# Altium PCB MiniPC.PcbDoc (part 18 of 23)
Units mm, origin at the board's own origin, x right, y up, seen from the top; angles counter-clockwise.
Board outline 175 x 155 mm, 16 copper layers (1_Top, 2_int1_(gnd), 3_int2_(power), 4_int3_(gnd), 5_int4_(sign), 6_int5_(power), 7_int6_(sign), 8_int7_(power), 9_int8_(gnd), 10_int9_(sign), 11_int10_(gnd), 12_int11_(sign), 13_int12_(gnd), 14_int13_(power), 15_int14_(gnd), 16_Bottom), stack 2.008 mm thick; 1046 components, 841 nets, 6010 pads, 4016 vias.
Unrouted connection lines stored in the file: 602.
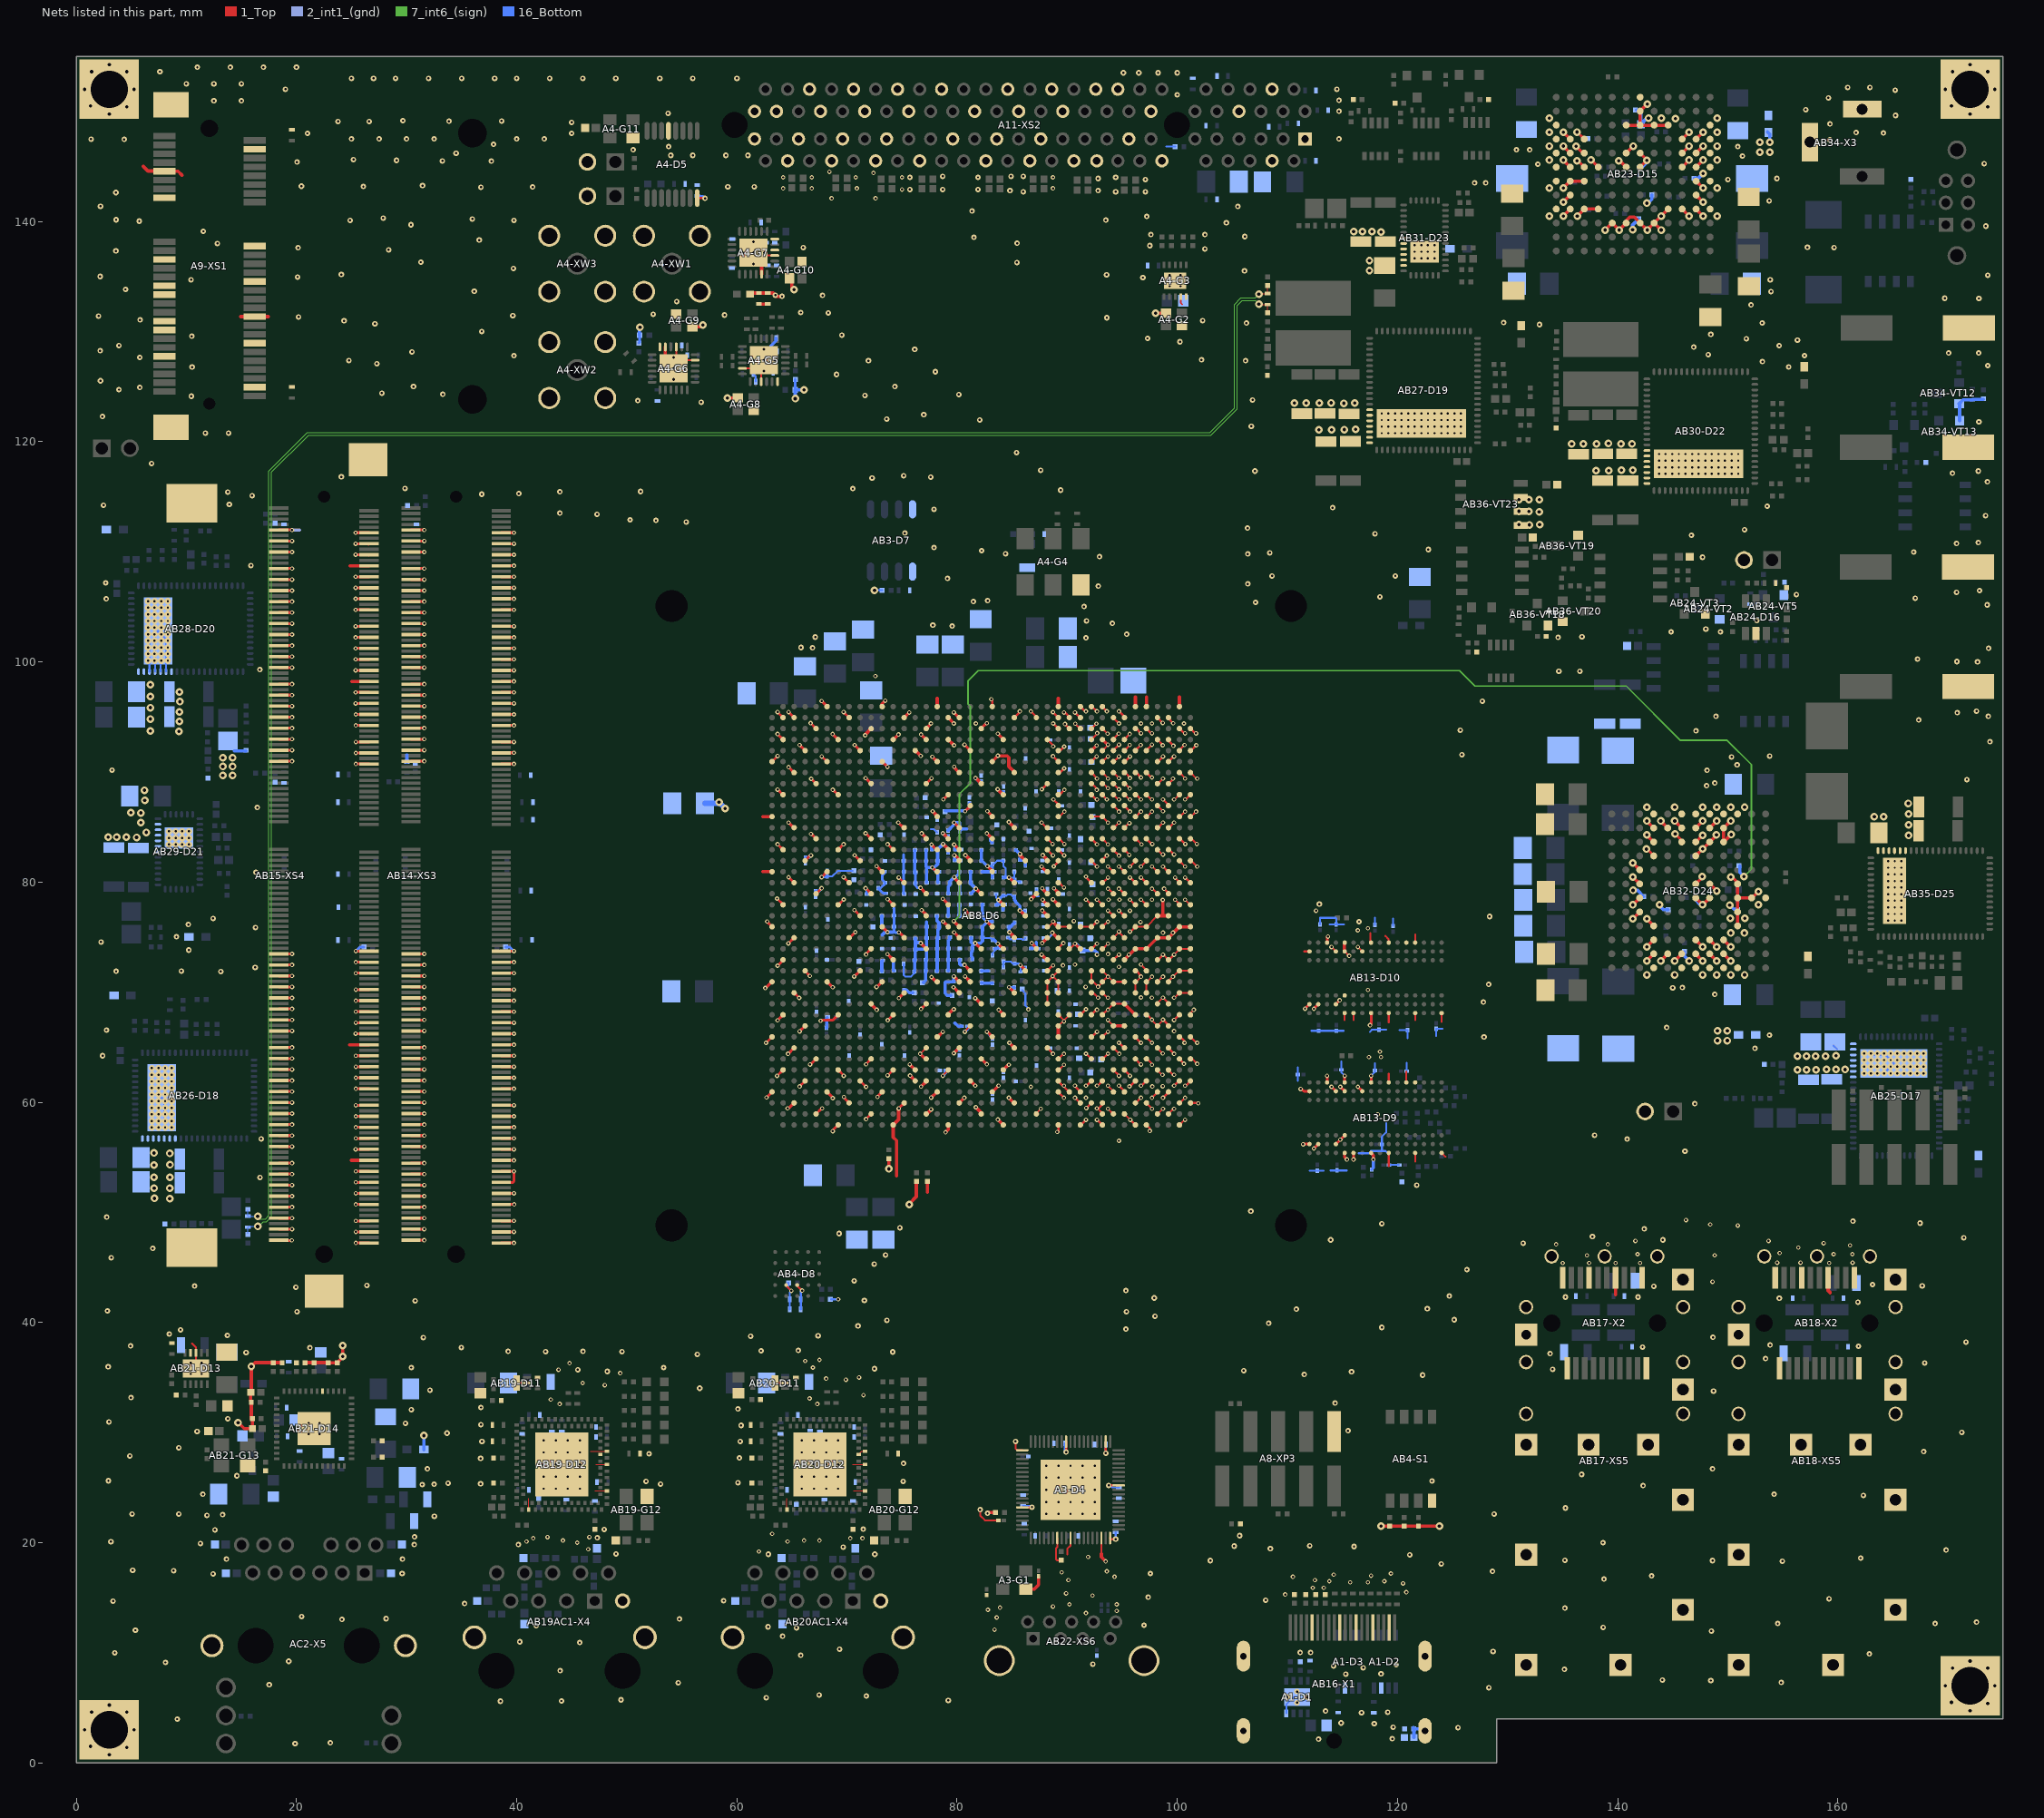
[diagram p32: the nets of this part, all layers, seen from the top]

## Via types
v1: diameter 0.4, hole 0.2, 1_Top to 16_Bottom, tented both sides, 1658 vias
v2: diameter 0.7, hole 0.3, 1_Top to 16_Bottom, tented both sides, 915 vias
v3: diameter 0.5, hole 0.2, 1_Top to 16_Bottom, tented both sides, 854 vias
v4: diameter 0.6, hole 0.2, 1_Top to 16_Bottom, 278 vias
v5: diameter 0.5, hole 0.2, 1_Top to 16_Bottom, 162 vias
v6: diameter 0.4, hole 0.2, 1_Top to 16_Bottom, 100 vias
v7: diameter 0.4/0/0/0/0/0/0/0/0/0/0/0/0/0/0/0.4 (per signal layer), hole 0.2, 1_Top to 16_Bottom, tented both sides, 18 vias
v8: diameter 0.4/0/0/0/0/0/0/0/0/0/0/0.4/0.4/0.4/0.4/0.4 (per signal layer), hole 0.2, 1_Top to 16_Bottom, tented both sides, 16 vias
v9: diameter 0.5, hole 0.254, 1_Top to 16_Bottom, 15 vias

## Nets (pads, with @x,y where several pads share a name; then routed paths per layer and width w, separated by ;. In a path a pad name is that pad's centre, name@x,y a point inside that pad or via, vN(x,y) a via of type N, cw(c..) or ccw(c..) an arc to the next point about the centre after c; other vN are vias at no path point) (continued)
GND: (continued)
  1_Top w0.3: 6.1,145 6.515,144.585 7.965,144.585 A9-XS1.9@8,144.55 9.25,144.55 9.6,144.2 ; 14.95,131.35 A9-XS1.34@16.2,131.35 17.45,131.35 ; 24.825,65.225 AB15-XS4.73@26.6,65.225 ; 24.875,108.725 AB15-XS4.239@26.6,108.725 ; 24.975,54.725 AB15-XS4.31@26.6,54.725 ; 25.025,98.225 AB15-XS4.197@26.6,98.225 ; A4-G6.5@53.5,128.6 53.5,127.4 v9(54.25,126.65) ; A4-G9.4@55.945,130.425 56.725,130.425 v2(56.9,130.6) ; v2(59.125,123.975) A4-G8.4@60.075,123.975 ; A4-G7.25@61.745,136.9 62.245,136.4 A4-G7.23@62.245,135.2 ; A4-C33.1@62,132.5 A4-C29.1@62.8,132.5 ; 62.361,80.939 AB8-D6.T1@63.194,80.939 ; 62.361,85.939 AB8-D6.L1@63.194,85.939 ; A4-G10.4@64.77,134.85 65,134.62 65,134 v2(65.2,133.8) v2@65.046,133.8 ; v1(71.653,93.33) 71.653,93.385 71.65,93.388 71.678,93.417 71.675,93.42 AB8-D6.C10@72.194,93.939 ; AB8-D6.AH10@72.194,68.939 72.194,68.906 v1(72.7,68.4) ; AB8-D6.AA11@73.194,75.939 73.675,75.458 v1(73.675,75.45) ; AB8-D6.A11@73.194,95.939 73.194,96.194 v1(73.475,96.475) ; v1@73.68,73.454 AB8-D6.AD12@74.194,72.939 ; 74.5,53.3 74.5,56.513 74.194,56.819 AB8-D6.AW12@74.194,57.939 74.684,58.429 74.684,59.429 v1(74.694,59.439) ; v1(74.704,75.429) 74.746,75.429 75.194,74.981 AB8-D6.AB13@75.194,74.939 ; AB8-D6.B13@75.194,94.939 75.194,94.944 v1(75.65,95.4) ; v1(75.7,63.425) 75.708,63.425 AB8-D6.AP14@76.194,62.939 ; v1(75.725,62.425) 76.194,61.956 AB8-D6.AR14@76.194,61.939 ; AB8-D6.E14@76.194,91.939 76.211,91.939 v1(76.7,91.45) ; v1(76.65,64.4) 77.111,63.939 AB8-D6.AN15@77.194,63.939 ; v1(76.675,79.475) 76.675,79.458 AB8-D6.V15@77.194,78.939 ; v1(76.7,74.45) 76.7,74.433 AB8-D6.AC15@77.194,73.939 ; v1(76.725,61.425) 77.194,61.894 AB8-D6.AR15@77.194,61.939 ; v1(76.725,93.4) 76.733,93.4 AB8-D6.D15@77.194,92.939 ; v1(76.775,77.45) 77.194,77.031 AB8-D6.Y15@77.194,76.939 ; v1(76.775,84.425) 77.194,84.006 AB8-D6.N15@77.194,83.939 ; AB8-D6.AV15@77.194,58.939 77.239,58.939 v1(77.65,59.35) ; AB8-D6.C15@77.194,93.939 77.625,94.37 v1(77.625,94.4) ; 77.3,51.85 AB4-R55.1@77.3,52.7 ; v1(77.65,60.425) 78.164,60.939 AB8-D6.AT16@78.194,60.939 ; v1(77.675,71.375) 78.111,70.939 AB8-D6.AF16@78.194,70.939 ; v1(77.75,81.325) 78.136,80.939 AB8-D6.T16@78.194,80.939 ; v1(77.75,91.375) 77.758,91.375 AB8-D6.F16@78.194,90.939 ; v1(77.775,86.425) 78.194,86.006 AB8-D6.L16@78.194,85.939 ; AB8-D6.AL16@78.194,65.939 78.239,65.939 v1(78.7,66.4) ; AB8-D6.A16@78.194,95.939 78.194,96.694 ; v1(78.7,78.475) 79.194,77.981 AB8-D6.W17@79.194,77.939 ; v1(78.725,76.425) 79.194,75.956 AB8-D6.AA17@79.194,75.939 ; v1(78.725,83.45) 79.194,82.981 AB8-D6.P17@79.194,82.939 ; v1(78.95,57.275) 79.194,57.519 AB8-D6.AW17@79.194,57.939 ; AB8-D6.AJ17@79.194,67.939 79.194,67.994 79.65,68.45 v1(79.7,68.45) ; AB8-D6.D17@79.194,92.939 79.708,92.425 v1(79.725,92.425) ; AB8-D6.B17@79.194,94.939 79.7,94.433 v1(79.7,94.4) ; v1(79.675,70.45) 79.683,70.45 AB8-D6.AG18@80.194,69.939 ; v1(79.7,95.4) 80.194,94.906 AB8-D6.B18@80.194,94.939 ; v1(79.725,75.425) 80.194,74.956 AB8-D6.AB18@80.194,74.939 ; v1(79.725,85.4) 79.733,85.4 AB8-D6.M18@80.194,84.939 ; v1(79.733,90.467) 79.733,90.4 AB8-D6.G18@80.194,89.939 ; v1(79.75,80.45) 79.75,80.383 AB8-D6.U18@80.194,79.939 ; AB8-D6.AU18@80.194,59.939 80.65,60.395 v1(80.65,60.4) ; v1(80.675,72.475) 80.675,72.458 AB8-D6.AE19@81.194,71.939 ; v1(80.75,77.45) 80.75,77.383 AB8-D6.Y19@81.194,76.939 ; v1(80.75,82.45) 81.194,82.006 AB8-D6.R19@81.194,81.939 ; AB8-D6.AR19@81.194,61.939 81.211,61.939 v1(81.65,61.5) ; v1(81.65,69.45) 82.161,68.939 AB8-D6.AH20@82.194,68.939 ; v1(81.65,74.45) 82.161,73.939 AB8-D6.AC20@82.194,73.939 ; v1(81.7,59.55) 82.194,59.056 AB8-D6.AV20@82.194,58.939 ; v1(81.7,79.4) 82.161,78.939 AB8-D6.V20@82.194,78.939 ; AB8-D6.AN20@82.194,63.939 82.211,63.939 v1(82.7,63.45) ; v1(82.7,76.425) 82.708,76.425 AB8-D6.AA21@83.194,75.939 ; v1(82.7,84.425) 82.708,84.425 AB8-D6.N21@83.194,83.939 ; v1(82.75,81.45) 83.194,81.006 AB8-D6.T21@83.194,80.939 ; v1(82.75,86.425) 83.194,85.981 AB8-D6.L21@83.194,85.939 ; v1(83.7,58.425) 83.708,58.425 AB8-D6.AW22@84.194,57.939 ; v1(83.7,74.4) 84.161,73.939 AB8-D6.AC22@84.194,73.939 ; v1@83.7,91.445 84.555,91.445 84.704,91.296 84.704,90.496 85.194,90.006 AB8-D6.G23@85.194,89.939 ; v1(83.75,78.375) 84.186,77.939 AB8-D6.W22@84.194,77.939 ; v1(83.775,68.4) 84.194,67.981 AB8-D6.AJ22@84.194,67.939 ; v1(84.7,60.4) 85.161,59.939 AB8-D6.AU23@85.194,59.939 ; v1(84.7,85.45) 85.194,84.956 AB8-D6.M23@85.194,84.939 ; v1(84.704,80.404) 84.746,80.404 85.194,79.956 AB8-D6.U23@85.194,79.939 ; v1(84.725,70.45) 85.194,69.981 AB8-D6.AG23@85.194,69.939 ; v1(84.75,65.4) 84.75,65.383 AB8-D6.AM23@85.194,64.939 ; v1(84.75,75.45) 85.194,75.006 AB8-D6.AB23@85.194,74.939 ; v1(85.7,77.425) 85.708,77.425 AB8-D6.Y24@86.194,76.939 ; v1(85.725,82.55) 85.725,82.408 AB8-D6.R24@86.194,81.939 ; v1(85.75,72.45) 86.194,72.006 AB8-D6.AE24@86.194,71.939 ; A3-G1.2@86.25,15.775 87,15.775 87.4,16.175 A3-C21.1@87.4,16.94 ; v1(86.725,78.45) 87.194,78.919 AB8-D6.V25@87.194,78.939 ; v1(86.775,74.45) 87.194,74.031 AB8-D6.AC25@87.194,73.939 ; v1(87.675,73.4) 88.136,72.939 AB8-D6.AD26@88.194,72.939 ; v1(87.679,81.404) 87.679,81.371 88.111,80.939 AB8-D6.T26@88.194,80.939 ; v1(87.725,74.45) 87.725,74.47 AB8-D6.AB26@88.194,74.939 ; v1(87.725,77.425) 88.194,76.956 AB8-D6.Y26@88.194,76.939 ; v1(87.725,79.425) 87.725,79.408 AB8-D6.V26@88.194,78.939 ; v1(87.775,78.4) 87.775,78.358 AB8-D6.W26@88.194,77.939 ; v1(87.775,82.45) 88.194,82.031 AB8-D6.R26@88.194,81.939 ; v1(88.65,75.4) 89.111,74.939 AB8-D6.AB27@89.194,74.939 ; v1(88.7,78.425) 88.708,78.425 AB8-D6.W27@89.194,77.939 ; v1@88.725,76.35 89.136,75.939 AB8-D6.AA27@89.194,75.939 ; v1(88.8,79.425) 89.194,79.031 AB8-D6.V27@89.194,78.939 ; AB8-D6.AL27@89.194,65.939 AB8-D6.AK27@89.194,66.939 ; AB8-D6.A27@89.194,95.939 89.194,96.694 ; v1(90.7,74.4) 91.161,73.939 AB8-D6.AC29@91.194,73.939 ; AB8-D6.E30@92.194,91.939 92.214,91.939 v1(92.675,92.4) ; 93.1,19 93.1,18.7 v6(93.5,18.3) ; AB8-D6.D31@93.194,92.939 93.206,92.939 v1@93.7,92.445 ; AB8-D6.AK32@94.194,66.939 AB8-D6.AK33@95.194,66.939 ; AB8-D6.AH33@95.194,68.939 AB8-D6.AJ34@96.194,67.939 ; AB8-D6.AD33@95.194,72.939 AB8-D6.AC34@96.194,73.939 AB8-D6.AC35@97.194,73.939 AB8-D6.AB36@98.194,74.939 AB8-D6.AB37@99.194,74.939 AB8-D6.AA38@100.194,75.939 AB8-D6.AA39@101.194,75.939 ; AB8-D6.A34@96.194,95.939 96.194,96.794 ; AB8-D6.A35@97.194,95.939 97.194,96.794 ; v2(98.025,131.675) A4-G2.2@98.975,131.675 ; AB8-D6.Y36@98.194,76.939 98.675,76.939 ; v6(98.675,78.375) 98.675,78.16 98.684,78.151 98.684,76.948 98.675,76.939 ; AB8-D6.Y37@99.194,76.939 98.675,76.939 ; AB8-D6.A38@100.194,95.939 100.194,96.794 ; AB13-D10.E8@115.2,73.7 115.161,73.739 115.161,74.461 AB13-D10.E9@115.2,74.5 ; v2(135.05,140.49) AB23-D15.B4@135.685,141.125 ; v2(135.05,141.76) AB23-D15.B5@135.685,142.395 ; v2(135.05,143.03) AB23-D15.B6@135.685,143.665 AB23-D15.C6@136.955,143.665 ; v2(135.05,145.57) AB23-D15.B7@135.685,144.935 ; v2(135.05,146.84) AB23-D15.B8@135.685,146.205 ; v2(135.05,148.11) AB23-D15.B9@135.685,147.475 ; v2(136.32,140.49) AB23-D15.C4@136.955,141.125 AB23-D15.D4@138.225,141.125 ; v2(137.557,145.582) 137.578,145.582 AB23-D15.D7@138.225,144.935 ; v2(138.86,139.22) AB23-D15.E3@139.495,139.855 v2(140.13,139.22) AB23-D15.F3@140.765,139.855 140.765,140.065 141.09,140.39 141.5,140.39 AB23-D15.G3@142.035,139.855 v2(142.67,139.22) AB23-D15.H3@143.305,139.855 ; 139.8,42.5 AB17-X2.14@139.8,44.05 ; AB23-D15.F10@140.765,148.745 140.78,148.73 144.56,148.73 AB23-D15.J10@144.575,148.745 ; v2(141.36,76.655) AB32-D24.H3@141.995,77.29 ; v2(141.36,77.925) AB32-D24.G3@141.995,78.56 ; v2(141.36,80.465) AB32-D24.F3@141.995,79.83 ; v2(141.36,81.735) AB32-D24.E3@141.995,81.1 ; AB23-D15.G10@142.035,148.745 AB23-D15.G11@142.035,150.015 v2(142.67,150.65) ; v2(142.63,72.845) AB32-D24.L4@143.265,73.48 ; v2(142.63,74.115) AB32-D24.K4@143.265,74.75 ; v2(142.63,76.655) AB32-D24.J4@143.265,76.02 ; v2(142.63,84.275) AB32-D24.C4@143.265,83.64 ; v2(142.63,85.545) AB32-D24.B4@143.265,84.91 ; v2(143.9,72.845) AB32-D24.L5@144.535,73.48 ; v2(143.9,85.545) AB32-D24.B5@144.535,84.91 ; v2(143.94,139.22) AB23-D15.H3@143.305,139.855 ; AB23-D15.J4@144.575,141.125 v2(143.94,140.49) AB23-D15.H3@143.305,139.855 ; v2(145.17,72.845) AB32-D24.L6@145.805,73.48 ; v2(145.17,85.545) AB32-D24.B6@145.805,84.91 ; AB23-D15.K4@145.845,141.125 v2(146.48,140.49) ; AB23-D15.K7@145.845,144.935 v2(146.48,145.57) ; AB23-D15.K8@145.845,146.205 v2(146.48,146.84) ; AB23-D15.K9@145.845,147.475 v2(146.48,148.11) ; AB32-D24.L7@147.075,73.48 v2(147.71,72.845) ; AB32-D24.K7@147.075,74.75 v2(147.71,74.115) ; AB32-D24.D7@147.075,82.37 v2(147.71,83.005) AB32-D24.C8@148.345,83.64 148.96,84.255 v2(148.96,84.28) ; AB32-D24.C7@147.075,83.64 147.1,83.64 v2(147.72,84.26) ; AB32-D24.B7@147.075,84.91 v2(147.71,85.545) ; AB23-D15.L4@147.115,141.125 v2(147.75,140.49) ; AB23-D15.L5@147.115,142.395 v2(147.75,141.76) ; AB23-D15.L6@147.115,143.665 v2(147.75,143.03) ; AB23-D15.L7@147.115,144.935 v2(147.75,145.57) ; AB23-D15.L8@147.115,146.205 v2(147.75,146.84) ; AB23-D15.L9@147.115,147.475 v2(147.75,148.11) ; AB32-D24.L8@148.345,73.48 v2(148.98,72.845) ; AB32-D24.K8@148.345,74.75 v2(148.98,74.115) ; AB32-D24.B8@148.345,84.91 v2(148.98,85.545) ; AB32-D24.L9@149.615,73.48 v2(150.25,72.845) ; AB32-D24.K9@149.615,74.75 v2(150.25,74.115) ; v2(150.25,80.46) 150.39,80.46 150.885,79.965 AB32-D24.F10@150.885,79.83 AB32-D24.G10@150.885,78.56 ; v2(150.25,85.545) AB32-D24.B9@149.615,84.91 AB32-D24.C9@149.615,83.64 149.62,83.64 v2(150.29,84.31) ; AB32-D24.J10@150.885,76.02 AB32-D24.H10@150.885,77.29 AB32-D24.G10@150.885,78.56 ; v2(152.77,79.14) 152.19,78.56 AB32-D24.G11@152.155,78.56 AB32-D24.G10@150.885,78.56 ; AB18-X2.14@159.1,44.05 159.1,42.9 159.3,42.7
  7_int6_(sign) w0.2: v1@65.9,42.9 v1(65.925,42.9)
  2_int1_(gnd) w0.3: v1(19.602,111.975) 20.275,111.975
  16_Bottom w0.17: AB28-D20.32@6.65,99.11 AB28-D20.69@6.65,102.04 ; AB28-D20.31@7.15,99.11 7.15,102.54 AB28-D20.69@7.42,102.81 8.15,102.08 AB28-D20.29@8.15,99.11 ; AB26-D18.69@7.5,59.5 7.5,60.13 AB26-D18.69@7.77,60.4 8,60.17 AB26-D18.69@8,58.3 ; AB28-D20.30@7.65,99.11 AB28-D20.69@7.65,100.11 ; AB29-D21.39@8.875,84.455 AB29-D21.39@9.325,84.005 ; A4-C47.2@61.5,126.15 61.7,125.95 A4-C51.2@61.7,125.45 ; AB1-C151.1@75.15,72.565 75.16,72.555 75.16,71.54 75.275,71.425 75.825,71.425 76.11,71.71 AB1-C153.1@76.11,71.875 ; 77.6,84.8 77.885,84.8 AB2-C318.1@78.175,84.51 ; AB1-C215.1@82.31,74.975 82.31,74.91 83.055,74.91 AB1-C193.1@83.2,74.765 ; AB1-C103.1@83.2,73.36 83.2,73.539 83.454,73.793 AB2-C234.1@83.454,73.939 ; AB1-C134.1@83.2,81.64 83.34,81.64 83.64,81.94 AB1-C117.1@84.2,81.94 84.2,81.456 84.4,81.256 84.4,80.61 AB2-C297.1@84.2,80.41 ; AB1-C125.1@83.535,78.9 83.535,78.59 v1(83.75,78.375) ; 83.7,73.975 v1(83.7,74.4) ; AB1-C102.1@84.2,72.285 AB1-C226.1@84.2,72.765 84.22,72.785 84.859,72.785 85.054,72.59 AB1-C101.1@85.225,72.59 85.61,72.59 v1(85.75,72.45) v1@85.76,72.44 ; AB1-C129.1@84.2,78.765 84.471,78.765 84.566,78.86 84.884,78.86 85.079,78.665 AB1-C127.1@85.2,78.665 ; AB1-C196.1@84.635,74.95 84.771,74.814 85.121,74.814 AB1-C228.1@85.2,74.735 ; v1(84.704,80.404) 85.031,80.404 AB1-C116.1@85.2,80.235 ; v1@84.71,75.49 v1(84.75,75.45) 85.2,75 AB1-C228.1@85.2,74.735 ; AB1-C160.1@85.2,80.94 AB1-C116.1@85.2,80.235 ; v1(85.7,77.425) 85.735,77.39 AB1-C128.1@86.175,77.39 ; AB1-C159.1@85.74,79.975 85.74,80.065 85.37,80.065 AB1-C116.1@85.225,80.21 AB1-C116.1@85.2,80.235 ; AB3-C328.1@85.76,71.85 v1@85.76,72.44 ; 86.1,82 86.2,81.9 86.2,81.85 ; AB1-C180.1@86.19,74.9 86.025,74.735 85.959,74.735 85.859,74.835 85.3,74.835 AB1-C228.1@85.2,74.735 ; AB1-C225.1@86.2,72.215 85.985,72.215 v1@85.76,72.44 ; AB1-C126.1@87.2,79.315 87.2,78.7 87.4,78.7 ; 88.3,74.9 88.65,75.25 v1(88.65,75.4) ; 99,146.8 A11-R23.2@99.8,146.8 ; A1-D1.8@109.9,4.5 109.9,5.3 110.575,5.975 A1-D1.9@110.875,5.975 ; 110.94,61.94 AB13-C340.1@110.94,62.5 110.94,63.16 ; 112.01,53.79 AB13-C348.1@112.725,53.79 113.29,53.79 ; 112.2,66.5 112.19,66.49 AB13-C347.1@112.85,66.49 AB13-C355.1@114.45,66.49 115.09,66.49 ; AB13-C350.1@112.95,76.16 112.95,76.75 114.35,76.75 114.425,76.675 AB13-C353.1@114.425,76.16 ; 113.84,76.16 AB13-C353.1@114.425,76.16 ; 113.9,53.8 115.4,53.8 ; 114.91,63.69 AB13-C343.1@114.91,62.95 114.91,62.69 v1(115.2,62.4) ; 115.14,76.16 AB13-C353.1@114.425,76.16 ; 116.468,55.368 117.383,55.368 117.59,55.575 118.585,55.575 ; 117.5,66.4 117.69,66.59 AB13-C349.1@118.3,66.59 118.99,66.59 ; v1(117.6,62.4) 117.94,62.74 AB13-C342.1@117.94,62.9 117.94,63.56 ; AB13-C354.1@117.95,76.11 117.95,76.75 ; 118.965,58.11 118.965,57.265 118.585,56.885 AB13-C346.1@118.585,56.175 118.585,55.575 ; AB13-C351.1@119.6,76.01 119.6,76.7 ; AB13-C339.1@120.14,54.3 AB13-C345.1@119.235,54.3 119.235,55.24 118.9,55.575 118.585,55.575 ; 120.16,66.54 AB13-C338.1@120.9,66.54 120.9,65.8 ; AB13-C344.1@120.835,62.825 120.835,63.565 ; 123.5,66 AB13-C352.1@123.5,66.665 124.065,66.665 ; AB25-C444.1@159.585,65.155 AB25-C444.1@159.934,64.806 ; AB25-D17.69@162.985,64.306 164.315,64.306 AB25-D17.69@165.085,63.536 AB25-D17.69@164.355,62.806
  16_Bottom w0.2: AB4-C335.1@65.8,41.2 65.8,42.775 v1(65.925,42.9) ; AB4-R54.1@68.55,42.1 v1(69.2,42.1)
  16_Bottom w0.25: v1(25.398,73.725) 25.773,74.1 AB15-R88.1@26.1,74.1 ; AB14-R83.1@39.025,74.1 39.375,74.1 v1(39.75,73.725) ; v1(71.694,79.439) 71.79,79.343 AB3-C332.1@71.79,78.925 ; AB1-C197.1@73.415,80.95 73.415,80.815 73.2,80.6 73.2,80.215 AB1-C210.1@73.465,79.95 73.465,79.865 73.04,79.44 AB3-C326.1@72.825,79.44 73.29,78.975 AB1-C200.1@73.54,78.975 ; 74.23,77.6 74.265,77.635 AB1-C177.1@74.265,76.95 AB1-C183.1@74.265,75.95 74.265,75.535 74.371,75.429 v1(74.704,75.429) ; 75.154,82.5 75.154,81.944 AB1-C185.1@75.135,81.925 75.135,80.95 AB1-C207.1@75.16,80.925 75.16,79.95 AB1-C211.1@75.135,79.925 75.135,78.975 AB1-C182.1@75.185,78.925 ; 76.21,80.735 AB1-C212.1@76.21,79.9 76.21,79.691 76.426,79.475 v1(76.675,79.475) ; AB13-C337.1@117.65,53.885 117.8,54.035 v1(117.8,54.8)
  16_Bottom w0.3: AB14-C356.1@30.025,90.9 30.025,91.55 ; 63.1,128.7 63.55,129.15 A4-C39.2@63.55,129.4 ; AB2-C283.1@68.15,66.735 68.15,67.625 AB7-R63.1@68.2,67.675 ; AB1-C152.1@73.165,71.875 73.165,72.805 AB3-C331.1@73.235,72.875 ; AB1-C143.1@73.165,76.925 73.165,75.95 AB1-C206.1@73.19,75.925 ; 73.2,75.2 73.45,75.45 v1(73.675,75.45) 74.18,75.45 74.265,75.535 ; 74.229,72.829 74.229,71.961 AB1-C204.1@74.265,71.925 ; AB3-C324.1@75.175,70.19 75.41,70.19 75.65,69.95 AB3-R41.2@76,69.95 ; AB1-C153.1@76.11,71.875 76.154,71.919 76.154,72.881 AB1-C172.1@76.135,72.9 76.2,72.965 76.2,73.84 AB2-C257.1@76.21,73.85 ; AB1-C201.1@76.16,82.9 AB1-C209.1@76.16,81.9 76.16,80.785 76.21,80.735 ; AB2-C246.1@76.21,74.875 76.21,74.5 ; v1(76.7,74.45) 76.65,74.5 76.21,74.5 ; AB3-R39.2@76.95,70.875 77.135,71.06 AB1-C191.1@77.135,71.9 77.16,71.925 AB1-C173.1@77.16,72.925 77.225,72.99 77.225,74.225 ; AB1-C222.1@77.185,82.9 AB1-C165.1@77.185,81.9 77.185,81.415 77.235,81.365 ; 77.225,76.375 77.225,75.985 AB1-C169.1@77.26,75.95 77.235,75.925 AB1-C171.1@77.235,74.925 77.225,74.915 77.225,74.225 ; AB2-C312.1@77.235,79.95 77.235,81.365 ; AB1-C216.1@78.16,71.9 78.185,71.925 AB1-C192.1@78.185,72.925 AB2-C267.1@78.185,73.95 78.185,74.825 AB1-C205.1@78.26,74.9 78.26,75.671 78.36,75.771 AB1-C150.1@78.36,75.95 78.36,76.281 78.16,76.481 AB1-C202.1@78.16,76.925 ; AB2-C252.1@78.26,79.95 78.25,79.96 78.25,80.835 AB1-C198.1@78.34,80.925 78.15,80.925 v1(77.75,81.325) ; AB2-C319.1@79.175,77.89 79.185,77.88 AB1-C170.1@79.185,76.925 ; AB1-C162.1@79.175,82.685 79.175,83 v1(78.725,83.45) 78.235,82.96 AB1-C130.1@78.235,82.95 AB1-C208.1@78.235,81.925 78.235,81.635 77.925,81.325 v1(77.75,81.325) ; AB1-C118.1@79.175,84.685 79.725,85.235 v1(79.725,85.4) 80.2,85.4 80.225,85.375 AB2-C317.1@80.225,84.61 80.44,84.825 80.9,84.825 ; AB1-C217.1@79.185,71.95 79.21,71.975 AB1-C174.1@79.21,72.95 AB2-C262.1@79.21,73.975 79.21,74.696 79.335,74.821 AB1-C186.1@79.335,75 ; AB1-C141.1@79.21,78.95 79.21,79.59 79.335,79.715 AB2-C306.1@79.335,79.9 79.335,80.035 v1(79.75,80.45) ; 79.8,67.2 80.1,66.9 AB2-C269.1@80.44,66.9 ; AB1-C199.1@80.185,80.95 80.185,80.771 79.864,80.45 v1(79.75,80.45) ; AB1-C131.1@80.21,76.925 AB2-C316.1@80.21,77.925 ; AB1-C218.1@80.235,72.95 80.235,72.565 80.325,72.475 v1(80.675,72.475) ; AB1-C148.1@80.235,78.95 80.235,79.965 v1(79.75,80.45) ; AB1-C115.1@81.235,80.925 81.225,80.915 81.225,79.985 AB1-C113.1@81.235,79.975 81.235,79.865 v1(81.7,79.4) 81.7,79.39 AB1-C122.1@81.285,78.975 ; AB1-C175.1@81.285,74.95 81.285,74.515 81.5,74.3 81.385,74.185 AB2-C302.1@81.385,73.975 81.385,73.721 81.3,73.636 81.3,73.239 81.385,73.154 AB1-C221.1@81.385,72.975 ; v1(81.65,74.45) 82.114,74.45 82.31,74.646 AB1-C215.1@82.31,74.91 ; AB1-C219.1@82.2,71.915 82.21,71.925 AB1-C100.1@82.815,71.925 ; AB1-C140.1@82.21,82.9 AB1-C138.1@82.21,81.9 82.3,81.9 v1(82.75,81.45) 82.785,81.415 83.2,81.415 83.2,81.115 AB1-C137.1@83.39,80.925 83.2,80.735 AB2-C292.1@83.2,80.435 ; AB1-C158.1@82.225,70.84 82.25,70.815 AB1-C149.1@83.225,70.815 ; AB1-C215.1@82.31,74.975 82.275,75.01 82.275,75.586 82.31,75.621 82.31,75.9 AB1-C105.1@82.285,75.925 82.775,76.415 AB1-C166.1@83.175,76.415 83.165,76.425 v1(82.7,76.425) 82.285,76.84 AB1-C190.1@82.285,76.975 82.31,77 82.31,77.179 82.275,77.214 82.275,77.94 AB1-C161.1@82.31,77.975 ; AB2-C310.1@82.31,80.925 AB1-C137.1@83.2,80.925 ; 82.9,84.2 83.035,84.065 83.035,83.75 AB1-C147.1@83.175,83.61 ; AB1-C193.1@83.2,74.765 83.335,74.765 v1(83.7,74.4) ; AB2-C234.1@83.454,73.939 83.49,73.975 83.7,73.975 ; AB1-C123.1@83.585,77.925 AB1-C123.1@83.635,77.975 ; AB1-C119.1@84.175,77.51 84.175,77.81 AB1-C135.1@84.34,77.975 AB1-C123.1@83.635,77.975 ; AB1-C129.1@84.2,78.765 84.14,78.765 v1(83.75,78.375) 83.75,78.09 AB1-C123.1@83.635,77.975 ; AB2-C297.1@84.2,80.41 84.698,80.41 v1(84.704,80.404) ; v1@84.71,75.49 AB1-C220.1@84.71,75.95 84.86,75.95 AB1-C155.1@85.225,76.315 ; v1(84.725,70.45) 84.76,70.415 AB3-C322.1@85.2,70.415 ; AB1-C127.1@85.2,78.665 85.2,78.4 85.304,78.296 85.304,78.217 85.7,77.822 v1(85.7,77.425) ; AB1-C112.1@85.335,82.925 85.335,82.91 85.71,82.535 AB1-C114.1@85.71,82 86.1,82 ; AB1-C146.1@86.2,81.51 86.2,81.85 ; AB1-C229.1@86.71,73.975 AB1-C195.1@87.365,73.975 ; 87.2,74.5 87.2,74.14 AB1-C195.1@87.365,73.975 ; AB1-C195.1@87.39,73.95 AB1-C195.1@87.365,73.975 ; v1(90.7,74.4) 90.79,74.4 AB2-C286.1@91.4,73.79 92.51,73.79 92.7,73.6 v6(92.7,73.4) ; AB34-VT13.2@171.05,121.9 171.05,123.4 AB34-VT12.2@171,123.45 171.35,123.8 AB34-C520.1@172.2,123.8 172.25,123.85 AB34-R279.1@173.2,123.85 ; AB2-C257.1@76.21,73.85 76.21,74.5 ; AB2-C257.1@76.21,73.85 76.26,73.9 76.886,73.9 76.893,73.893 77.225,74.225 ; 77.235,81.365 77.275,81.325 v1(77.75,81.325)